# KiCad board sample018-programmable-led-panel.kicad_pcb (continued)
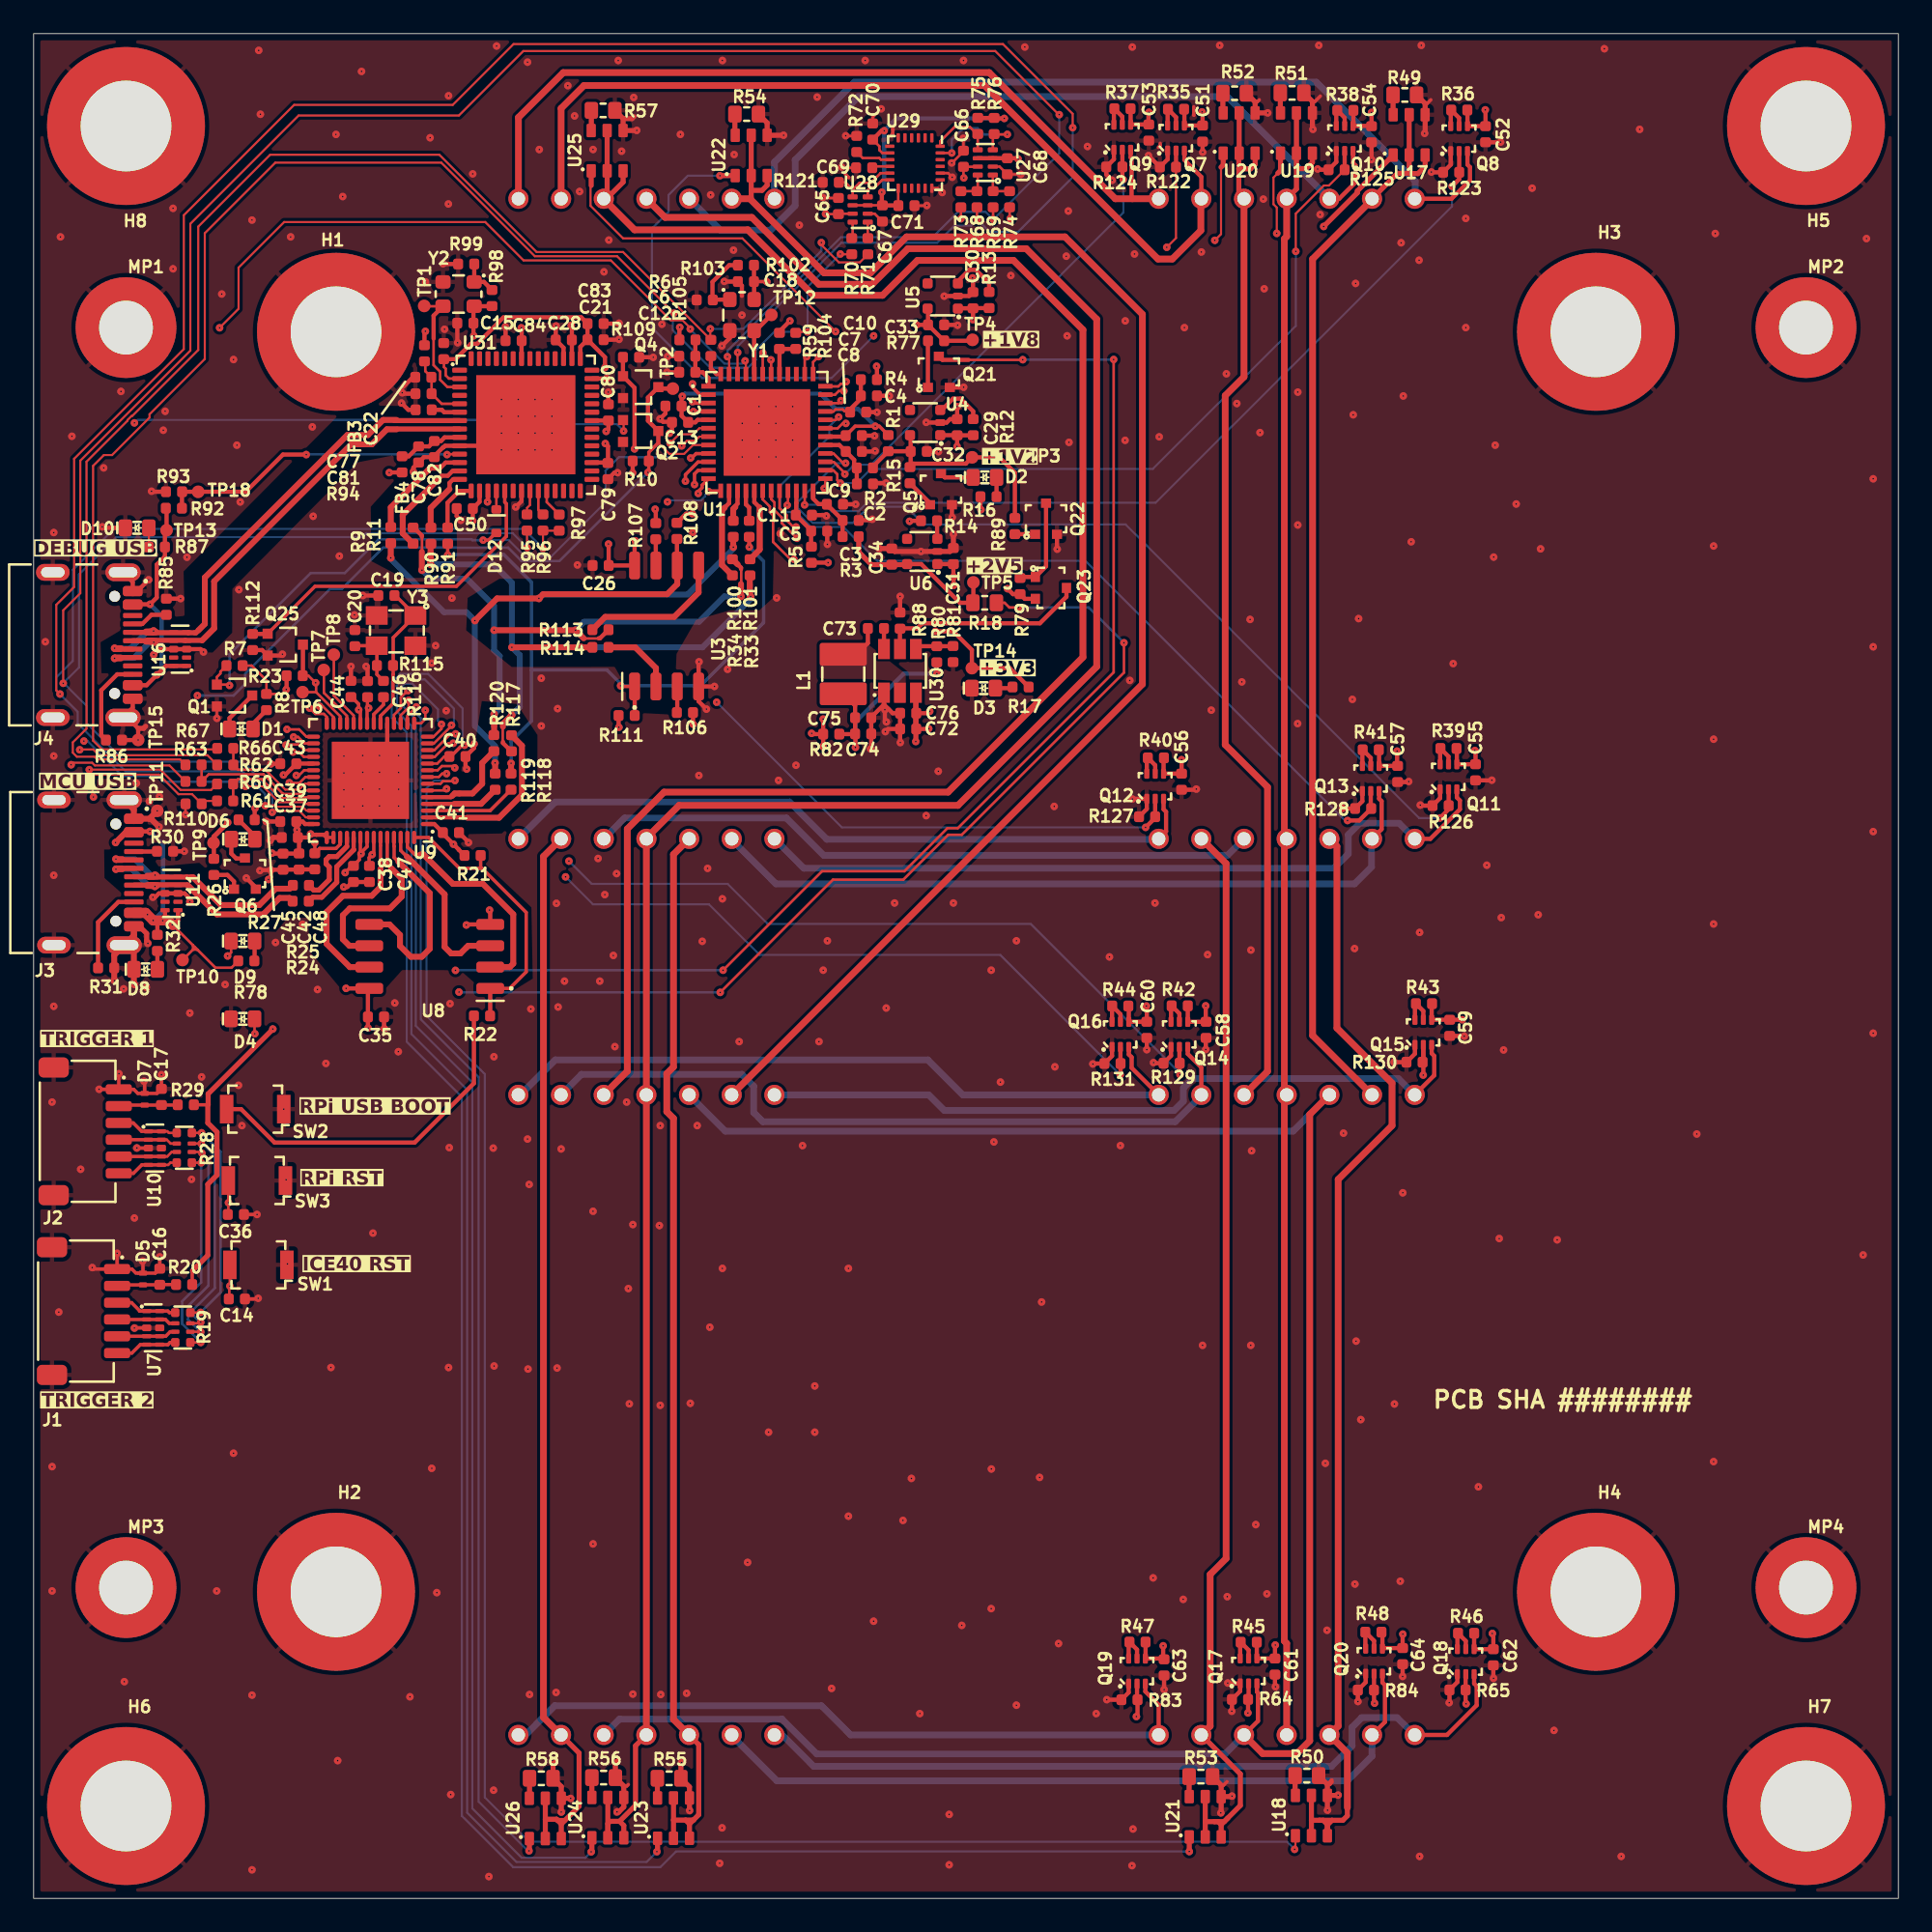
[diagram p0: board, top side]
## Placement (name value [footprint] x y rotation side) (continued)
U4  TLV70012_SC70  [SC-70-5]  53.07 87.85 90 top
U5  TLV70018_SC70  [SC-70-5]  54.12 95.39 90 top
U6  TLV70025_SC70  [SC-70-5]  52.9 80.18 90 top
U7  TPD4E02B04DQA  [USON-10_2.5x1mm_P0.5mm]  7.12 33.96 0 top
U8  W25Q128JVSIQ_SOIC-8  [SOIC-8_5.3x5.3x2mm_P1.27mm]  23.58 56.07 180 top
U9  RP2040  [QFN-56-1EP_7x7mm_P0.4mm_EP4.6x4.6mm]  20.05 66.55 180 top
U10  TPD4E02B04DQA  [USON-10_2.5x1mm_P0.5mm]  7.22 44.66 0 top
U11  TPD4E05U06QDQARQ1  [USON-10_2.5x1mm_P0.5mm]  8.21 59.82 180 top
U12  LED_Matrix_KWM-50571AGB  [LED_Matrix_KWM_50571AGB]  82.21 63.07 180 bottom
U13  LED_Matrix_KWM-50571AGB  [LED_Matrix_KWM_50571AGB]  82.21 9.73 180 bottom
U14  LED_Matrix_KWM-50571AGB  [LED_Matrix_KWM_50571AGB]  44.1 63.07 180 bottom
U15  LED_Matrix_KWM-50571AGB  [LED_Matrix_KWM_50571AGB]  44.09 9.73 180 bottom
U16  TPD4E05U06QDQARQ1  [USON-10_2.5x1mm_P0.5mm]  8.72 74.36 180 top
U17  BCR421_SOT26  [SC-74-6_1.5x2.9mm_P0.95mm]  81.88 104.97 90 top
U18  BCR421_SOT26  [SC-74-6_1.5x2.9mm_P0.95mm]  76.06 4.93 90 top
U19  BCR421_SOT26  [SC-74-6_1.5x2.9mm_P0.95mm]  75.17 105.08 90 top
U20  BCR421_SOT26  [SC-74-6_1.5x2.9mm_P0.95mm]  71.76 105.08 90 top
U21  BCR421_SOT26  [SC-74-6_1.5x2.9mm_P0.95mm]  69.74 4.86 90 top
U22  BCR421_SOT26  [SC-74-6_1.5x2.9mm_P0.95mm]  42.71 103.75 90 top
U23  BCR421_SOT26  [SC-74-6_1.5x2.9mm_P0.95mm]  38.09 4.78 90 top
U24  BCR421_SOT26  [SC-74-6_1.5x2.9mm_P0.95mm]  34.18 4.81 90 top
U25  BCR421_SOT26  [SC-74-6_1.5x2.9mm_P0.95mm]  34.14 104.03 90 top
U26  BCR421_SOT26  [SC-74-6_1.5x2.9mm_P0.95mm]  30.46 4.76 90 top
U27  NTS0102_XSON  [XSON-8_1x1.95mm_P0.5mm]  56.65 103.33 180 top
U28  NTB0102_XSON  [XSON-8_1x1.95mm_P0.5mm]  49.2 100.53 180 top
U29  ICM-20948  [InvenSense_QFN-24_3x3mm_P0.4mm]  52.47 103.29 270 top
U30  AP62301_TSOT  [TSOT23-6]  51.56 73.07 90 top
U31  FT4232H_VQFN  [QFN-56-1EP_8x8mm_P0.5mm]  29.29 87.72 0 top
Y1  Oscillator_12MHz_ESC_2520MV  [Oscillator_SMD_ECS_2520MV_2.5x2mm]  42.16 94.24 0 top
Y2  Oscillator_12MHz_ESC_2520MV  [Oscillator_SMD_ECS_2520MV_2.5x2mm]  25.29 95.5 270 top
Y3  Resonator_12MHz_ABM8G  [Resonator_SMD_Abracon_ABM8G_3.2x2.5mm]  21.62 75.41 180 top

## Library data of the parts
C1 C2 C5 C6 = -: Datasheet: https://www.yageo.com/en/Chart/Download/pdf/CC0402MRX5R5BB106; Description: SMD Multilayer Ceramic Capacitor, 10 µF, 6.3 V, 0402 [1005 Metric], ± 20%, X5R, CC Series; MPN: CC0402MRX5R5BB106; Manufacturer: YAGEO; License: Apache-2.0; Author: Antmicro; Val: 10u; Voltage: 10V; Dielectric: X5R; Field11: Author: Antmicro; Field13: License: Apache-2.0
C3 C4 = -: Datasheet: https://www.yageo.com/en/Chart/Download/pdf/CC0402MRX5R5BB106; Description: SMD Multilayer Ceramic Capacitor, 10 µF, 6.3 V, 0402 [1005 Metric], ± 20%, X5R, CC Series; MPN: CC0402MRX5R5BB106; Manufacturer: YAGEO; License: Apache-2.0; Author: Antmicro; Val: 10u; Voltage: 10V; Dielectric: X5R; Field12: Author: Antmicro; Field13: License: Apache-2.0
C7 C9 C10 = -: Datasheet: https://www.murata.com/products/productdetail?partno=GRM155R61H104KE14%23; Description: SMD Multilayer Ceramic Capacitor, 0.1 µF, 50 V, 0402 [1005 Metric], ± 10%, X5R, GRM Series; MPN: GRM155R61H104KE14D; Manufacturer: Murata; License: Apache-2.0; Author: Antmicro; Val: 100n; Voltage: 50V; Dielectric: X5R; Field11: License: Apache-2.0; Field13: Author: Antmicro
C8 C35 = -: Datasheet: https://www.murata.com/products/productdetail?partno=GRM155R61H104KE14%23; Description: SMD Multilayer Ceramic Capacitor, 0.1 µF, 50 V, 0402 [1005 Metric], ± 10%, X5R, GRM Series; MPN: GRM155R61H104KE14D; Manufacturer: Murata; License: Apache-2.0; Author: Antmicro; Val: 100n; Voltage: 50V; Dielectric: X5R; Field11: Author: Antmicro; Field12: License: Apache-2.0
C11 C13 = -: Datasheet: https://www.murata.com/products/productdetail?partno=GRM155R61H104KE14%23; Description: SMD Multilayer Ceramic Capacitor, 0.1 µF, 50 V, 0402 [1005 Metric], ± 10%, X5R, GRM Series; MPN: GRM155R61H104KE14D; Manufacturer: Murata; License: Apache-2.0; Author: Antmicro; Val: 100n; Voltage: 50V; Dielectric: X5R; Field12: License: Apache-2.0; Field13: Author: Antmicro
C12 C15 C26 = -: Datasheet: https://www.murata.com/products/productdetail?partno=GRM155R61H104KE14%23; Description: SMD Multilayer Ceramic Capacitor, 0.1 µF, 50 V, 0402 [1005 Metric], ± 10%, X5R, GRM Series; MPN: GRM155R61H104KE14D; Manufacturer: Murata; License: Apache-2.0; Author: Antmicro; Val: 100n; Voltage: 50V; Dielectric: X5R; Field11: License: Apache-2.0; Field12: Author: Antmicro
C14 C18 = -: Datasheet: https://www.murata.com/products/productdetail?partno=GRM155R61H104KE14%23; Description: SMD Multilayer Ceramic Capacitor, 0.1 µF, 50 V, 0402 [1005 Metric], ± 10%, X5R, GRM Series; MPN: GRM155R61H104KE14D; Manufacturer: Murata; License: Apache-2.0; Author: Antmicro; Val: 100n; Voltage: 50V; Dielectric: X5R; Field11: Author: Antmicro; Field13: License: Apache-2.0
C16 C38 C42 C71 = -: Datasheet: https://www.murata.com/products/productdetail?partno=GRM155R61H104KE14%23; Description: SMD Multilayer Ceramic Capacitor, 0.1 µF, 50 V, 0402 [1005 Metric], ± 10%, X5R, GRM Series; MPN: GRM155R61H104KE14D; Val: 100n; Voltage: 50V; Dielectric: X5R; Manufacturer: Murata; License: Apache-2.0; Author: Antmicro; Field11: Author: Antmicro; Field13: License: Apache-2.0
C17 C39 C41 C46 C65 C66 = -: Datasheet: https://www.murata.com/products/productdetail?partno=GRM155R61H104KE14%23; Description: SMD Multilayer Ceramic Capacitor, 0.1 µF, 50 V, 0402 [1005 Metric], ± 10%, X5R, GRM Series; MPN: GRM155R61H104KE14D; Val: 100n; Voltage: 50V; Dielectric: X5R; Manufacturer: Murata; License: Apache-2.0; Author: Antmicro; Field11: Author: Antmicro; Field12: License: Apache-2.0
C19 = -: Datasheet: https://product.samsungsem.com/mlcc/CL05C180JB51PN.do; Description: SMD Multilayer Ceramic Capacitor, 18 pF, 50 V, 0402 [1005 Metric], ± 5%, C0G / NP0, MC; MPN: CL05C180JB51PNC; Manufacturer: Samsung Electro-Mechanics; License: Apache-2.0; Author: Antmicro; Val: 18p; Field11: License: Apache-2.0; Field13: Author: Antmicro
C20 = -: Datasheet: https://product.samsungsem.com/mlcc/CL05C180JB51PN.do; Description: SMD Multilayer Ceramic Capacitor, 18 pF, 50 V, 0402 [1005 Metric], ± 5%, C0G / NP0, MC; MPN: CL05C180JB51PNC; Manufacturer: Samsung Electro-Mechanics; License: Apache-2.0; Author: Antmicro; Val: 18p; Field11: Author: Antmicro; Field13: License: Apache-2.0
C21 C50 = -: Datasheet: https://www.murata.com/products/productdetail?partno=GRM155R61H104KE14%23; Description: SMD Multilayer Ceramic Capacitor, 0.1 µF, 50 V, 0402 [1005 Metric], ± 10%, X5R, GRM Series; Manufacturer: Murata; MPN: GRM155R61H104KE14D; Val: 100n; License: Apache-2.0; Author: Antmicro; Voltage: 50V; Dielectric: X5R; Field12: License: Apache-2.0; Field13: Author: Antmicro
C22 C80 = -: Datasheet: https://www.murata.com/products/productdetail?partno=GRM155R61H104KE14%23; Description: SMD Multilayer Ceramic Capacitor, 0.1 µF, 50 V, 0402 [1005 Metric], ± 10%, X5R, GRM Series; Manufacturer: Murata; MPN: GRM155R61H104KE14D; Val: 100n; License: Apache-2.0; Author: Antmicro; Voltage: 50V; Dielectric: X5R; Field11: Author: Antmicro; Field12: License: Apache-2.0
C28 C84 = -: Datasheet: https://www.murata.com/products/productdetail?partno=GRM155R61H104KE14%23; Description: SMD Multilayer Ceramic Capacitor, 0.1 µF, 50 V, 0402 [1005 Metric], ± 10%, X5R, GRM Series; Manufacturer: Murata; MPN: GRM155R61H104KE14D; Val: 100n; License: Apache-2.0; Author: Antmicro; Voltage: 50V; Dielectric: X5R; Field11: Author: Antmicro; Field13: License: Apache-2.0
C29 C37 C51 C55 = -: Datasheet: https://www.kemet.com/en/us/capacitors/product/C0402C105M4PACTU.html; Description: SMD Multilayer Ceramic Capacitor, 1 µF, 16 V, 0402 [1005 Metric], ± 20%, X5R, C Series KEMET; MPN: C0402C105M4PACTU; Manufacturer: KEMET; License: Apache-2.0; Author: Antmicro; Val: 1u; Voltage: 16V; Field12: License: Apache-2.0; Field13: Author: Antmicro
C30 C58 C60 = -: Datasheet: https://www.kemet.com/en/us/capacitors/product/C0402C105M4PACTU.html; Description: SMD Multilayer Ceramic Capacitor, 1 µF, 16 V, 0402 [1005 Metric], ± 20%, X5R, C Series KEMET; MPN: C0402C105M4PACTU; Manufacturer: KEMET; License: Apache-2.0; Author: Antmicro; Val: 1u; Voltage: 16V; Field11: License: Apache-2.0; Field13: Author: Antmicro
C31 C52 C53 C56 C64 = -: Datasheet: https://www.kemet.com/en/us/capacitors/product/C0402C105M4PACTU.html; Description: SMD Multilayer Ceramic Capacitor, 1 µF, 16 V, 0402 [1005 Metric], ± 20%, X5R, C Series KEMET; MPN: C0402C105M4PACTU; Manufacturer: KEMET; License: Apache-2.0; Author: Antmicro; Val: 1u; Voltage: 16V; Field11: Author: Antmicro; Field13: License: Apache-2.0
C32 C48 C54 C57 C63 = -: Datasheet: https://www.kemet.com/en/us/capacitors/product/C0402C105M4PACTU.html; Description: SMD Multilayer Ceramic Capacitor, 1 µF, 16 V, 0402 [1005 Metric], ± 20%, X5R, C Series KEMET; MPN: C0402C105M4PACTU; Manufacturer: KEMET; License: Apache-2.0; Author: Antmicro; Val: 1u; Voltage: 16V; Field12: Author: Antmicro; Field13: License: Apache-2.0
C33 C34 C61 = -: Datasheet: https://www.kemet.com/en/us/capacitors/product/C0402C105M4PACTU.html; Description: SMD Multilayer Ceramic Capacitor, 1 µF, 16 V, 0402 [1005 Metric], ± 20%, X5R, C Series KEMET; MPN: C0402C105M4PACTU; Manufacturer: KEMET; License: Apache-2.0; Author: Antmicro; Val: 1u; Voltage: 16V; Field11: Author: Antmicro; Field12: License: Apache-2.0
C36 C45 C47 = -: Datasheet: https://www.murata.com/products/productdetail?partno=GRM155R61H104KE14%23; Description: SMD Multilayer Ceramic Capacitor, 0.1 µF, 50 V, 0402 [1005 Metric], ± 10%, X5R, GRM Series; MPN: GRM155R61H104KE14D; Val: 100n; Voltage: 50V; Dielectric: X5R; Manufacturer: Murata; License: Apache-2.0; Author: Antmicro; Field11: License: Apache-2.0; Field12: Author: Antmicro
C40 C44 C69 C70 = -: Datasheet: https://www.murata.com/products/productdetail?partno=GRM155R61H104KE14%23; Description: SMD Multilayer Ceramic Capacitor, 0.1 µF, 50 V, 0402 [1005 Metric], ± 10%, X5R, GRM Series; MPN: GRM155R61H104KE14D; Val: 100n; Voltage: 50V; Dielectric: X5R; Manufacturer: Murata; License: Apache-2.0; Author: Antmicro; Field12: Author: Antmicro; Field13: License: Apache-2.0
C43 C68 = -: Datasheet: https://www.murata.com/products/productdetail?partno=GRM155R61H104KE14%23; Description: SMD Multilayer Ceramic Capacitor, 0.1 µF, 50 V, 0402 [1005 Metric], ± 10%, X5R, GRM Series; MPN: GRM155R61H104KE14D; Val: 100n; Voltage: 50V; Dielectric: X5R; Manufacturer: Murata; License: Apache-2.0; Author: Antmicro; Field11: License: Apache-2.0; Field13: Author: Antmicro
C59 C62 = -: Datasheet: https://www.kemet.com/en/us/capacitors/product/C0402C105M4PACTU.html; Description: SMD Multilayer Ceramic Capacitor, 1 µF, 16 V, 0402 [1005 Metric], ± 20%, X5R, C Series KEMET; MPN: C0402C105M4PACTU; Manufacturer: KEMET; License: Apache-2.0; Author: Antmicro; Val: 1u; Voltage: 16V; Field11: License: Apache-2.0; Field12: Author: Antmicro
C67 = -: Datasheet: https://www.murata.com/products/productdetail?partno=GRM155R61H104KE14%23; Description: SMD Multilayer Ceramic Capacitor, 0.1 µF, 50 V, 0402 [1005 Metric], ± 10%, X5R, GRM Series; MPN: GRM155R61H104KE14D; Val: 100n; Voltage: 50V; Dielectric: X5R; Manufacturer: Murata; License: Apache-2.0; Author: Antmicro; Field12: License: Apache-2.0; Field13: Author: Antmicro
C72 = -: Datasheet: https://www.yageo.com/en/Chart/Download/pdf/CC0402MRX5R5BB106; Description: SMD Multilayer Ceramic Capacitor, 10 µF, 6.3 V, 0402 [1005 Metric], ± 20%, X5R, CC Series; MPN: CC0402MRX5R5BB106; Manufacturer: YAGEO; License: Apache-2.0; Author: Antmicro; Val: 10u; Voltage: 25V; Field11: License: Apache-2.0; Field13: Author: Antmicro
C73 = -: Datasheet: https://www.yageo.com/en/Chart/Download/pdf/CC0402KRX5R6BB224; MPN: CC0402KRX5R6BB224; Manufacturer: YAGEO; License: Apache-2.0; Author: Antmicro; Val: 220n; Field12: License: Apache-2.0; Field13: Author: Antmicro
C74 = -: Datasheet: https://www.murata.com/products/productdetail?partno=GRM158R60J226ME01%23; MPN: GRM158R60J226ME01D; Manufacturer: Murata; License: Apache-2.0; Author: Antmicro; Val: 22u; Field12: Author: Antmicro; Field13: License: Apache-2.0
C75 = -: Datasheet: https://www.murata.com/products/productdetail?partno=GRM158R60J226ME01%23; MPN: GRM158R60J226ME01D; Manufacturer: Murata; License: Apache-2.0; Author: Antmicro; Val: 22u; Field12: License: Apache-2.0; Field13: Author: Antmicro
C76 = -: Datasheet: https://www.yageo.com/en/Chart/Download/pdf/CC0402MRX5R5BB106; Description: SMD Multilayer Ceramic Capacitor, 10 µF, 6.3 V, 0402 [1005 Metric], ± 20%, X5R, CC Series; MPN: CC0402MRX5R5BB106; Manufacturer: YAGEO; License: Apache-2.0; Author: Antmicro; Val: 10u; Voltage: 25V; Field12: License: Apache-2.0; Field13: Author: Antmicro
C77 = -: Datasheet: https://www.yageo.com/en/Chart/Download/pdf/CC0402MRX5R5BB106; Description: SMD Multilayer Ceramic Capacitor, 10 µF, 6.3 V, 0402 [1005 Metric], ± 20%, X5R, CC Series; Manufacturer: YAGEO; MPN: CC0402MRX5R5BB106; Val: 10u; License: Apache-2.0; Author: Antmicro; Public: False; Field12: Author: Antmicro; Field13: License: Apache-2.0
C78 = -: Datasheet: https://www.yageo.com/en/Chart/Download/pdf/CC0402MRX5R5BB106; Description: SMD Multilayer Ceramic Capacitor, 10 µF, 6.3 V, 0402 [1005 Metric], ± 20%, X5R, CC Series; Manufacturer: YAGEO; MPN: CC0402MRX5R5BB106; Val: 10u; License: Apache-2.0; Author: Antmicro; Public: False; Field12: License: Apache-2.0; Field13: Author: Antmicro
C79 C81 C82 = -: Datasheet: https://www.murata.com/products/productdetail?partno=GRM155R61H104KE14%23; Description: SMD Multilayer Ceramic Capacitor, 0.1 µF, 50 V, 0402 [1005 Metric], ± 10%, X5R, GRM Series; Manufacturer: Murata; MPN: GRM155R61H104KE14D; Val: 100n; License: Apache-2.0; Author: Antmicro; Voltage: 50V; Dielectric: X5R; Field11: License: Apache-2.0; Field13: Author: Antmicro
C83 = -: Datasheet: https://www.yageo.com/en/Chart/Download/pdf/CC0402MRX5R5BB106; Description: SMD Multilayer Ceramic Capacitor, 10 µF, 6.3 V, 0402 [1005 Metric], ± 20%, X5R, CC Series; Manufacturer: YAGEO; MPN: CC0402MRX5R5BB106; Val: 10u; License: Apache-2.0; Author: Antmicro; Public: False; Field13: License: Apache-2.0; Field14: Author: Antmicro
D1 D3 = -: Datasheet: http://www.kingbright.com/attachments/file/psearch//000/00/00/KP-1608CGCK(Ver.23B).pdf; Description: LED, Green, SMD, 0603, 20 mA, 2.1 V, 570 nm; MPN: KP-1608CGCK; Manufacturer: Kingbright; Color: Green; Author: Antmicro; License: Apache-2.0; Field9: License: Apache-2.0; Field11: Author: Antmicro
D2 D10 = -: Datasheet: http://www.kingbright.com/attachments/file/psearch//000/00/00/KP-1608CGCK(Ver.23B).pdf; Description: LED, Green, SMD, 0603, 20 mA, 2.1 V, 570 nm; MPN: KP-1608CGCK; Manufacturer: Kingbright; Color: Green; Author: Antmicro; License: Apache-2.0; Field9: Author: Antmicro; Field10: License: Apache-2.0
D4 D8 = -: Datasheet: http://www.kingbright.com/attachments/file/psearch//000/00/00/KP-1608CGCK(Ver.23B).pdf; Description: LED, Green, SMD, 0603, 20 mA, 2.1 V, 570 nm; MPN: KP-1608CGCK; Manufacturer: Kingbright; Color: Green; Author: Antmicro; License: Apache-2.0; Field10: Author: Antmicro; Field11: License: Apache-2.0
D5 = -: Datasheet: https://www.ti.com/general/docs/suppproductinfo.tsp?distId=26&gotoUrl=https://www.ti.com/lit/gpn/tpd1e0b04; Description: Bidirectional TVS, 8 kV,  XDFN-2, 3.6 V, 0.18 pF; MPN: TPD1E0B04DPYR; Manufacturer: Texas Instruments; Author: Antmicro; License: Apache-2.0; Field8: Author: Antmicro; Field9: License: Apache-2.0
D6 D9 = -: Datasheet: http://www.kingbright.com/attachments/file/psearch//000/00/00/KP-1608CGCK(Ver.23B).pdf; Description: LED, Green, SMD, 0603, 20 mA, 2.1 V, 570 nm; MPN: KP-1608CGCK; Manufacturer: Kingbright; Color: Green; Author: Antmicro; License: Apache-2.0; Field9: Author: Antmicro; Field11: License: Apache-2.0
D7 = -: Datasheet: https://www.ti.com/general/docs/suppproductinfo.tsp?distId=26&gotoUrl=https://www.ti.com/lit/gpn/tpd1e0b04; Description: Bidirectional TVS, 8 kV,  XDFN-2, 3.6 V, 0.18 pF; MPN: TPD1E0B04DPYR; Manufacturer: Texas Instruments; Author: Antmicro; License: Apache-2.0; Field9: License: Apache-2.0; Field10: Author: Antmicro
D12 = -: Datasheet: https://www.onsemi.com/pdf/datasheet/rb521s30t1-d.pdf; Description: Small Signal Schottky Diode, Single, 30 V, 200 mA, 500 mV, 1 A, 125 °C; Manufacturer: ON Semiconductor; Author: Antmicro; License: Apache-2.0; Field8: License: Apache-2.0; Field10: Author: Antmicro
FB3 = -: Datasheet: https://www.murata.com/en-us/products/productdata/8796740059166/ENFA0018.pdf; MPN: BLM15AG601SN1D; Manufacturer: Murata; Author: Antmicro; License: Apache-2.0; Val: 600Z/0.3A; Public: False; Field11: License: Apache-2.0; Field12: Author: Antmicro
FB4 = -: Datasheet: https://www.murata.com/en-us/products/productdata/8796740059166/ENFA0018.pdf; MPN: BLM15AG601SN1D; Manufacturer: Murata; Author: Antmicro; License: Apache-2.0; Val: 600Z/0.3A; Public: False; Field11: Author: Antmicro; Field12: License: Apache-2.0
H1 H3 H6 = -: Datasheet: https://www.we-online.com/components/products/datasheet/9774100482R.pdf; Description: Spacer, SMT, Non Stop, Steel, Swage Round, 9.4 mm x 10 mm, M4 Thread, WA-SMSI Series; Manufacturer: Würth Elektronik; MPN: 9774100482R; Author: Antmicro; License: Apache-2.0; Field8: License: Apache-2.0; Field10: Author: Antmicro
H2 = -: Datasheet: https://www.we-online.com/components/products/datasheet/9774100482R.pdf; Description: Spacer, SMT, Non Stop, Steel, Swage Round, 9.4 mm x 10 mm, M4 Thread, WA-SMSI Series; Manufacturer: Würth Elektronik; MPN: 9774100482R; Author: Antmicro; License: Apache-2.0; Field8: License: Apache-2.0; Field9: Author: Antmicro
H4 H5 = -: Datasheet: https://www.we-online.com/components/products/datasheet/9774100482R.pdf; Description: Spacer, SMT, Non Stop, Steel, Swage Round, 9.4 mm x 10 mm, M4 Thread, WA-SMSI Series; Manufacturer: Würth Elektronik; MPN: 9774100482R; Author: Antmicro; License: Apache-2.0; Field9: Author: Antmicro; Field10: License: Apache-2.0
H7 = -: Datasheet: https://www.we-online.com/components/products/datasheet/9774100482R.pdf; Description: Spacer, SMT, Non Stop, Steel, Swage Round, 9.4 mm x 10 mm, M4 Thread, WA-SMSI Series; Manufacturer: Würth Elektronik; MPN: 9774100482R; Author: Antmicro; License: Apache-2.0; Field8: Author: Antmicro; Field10: License: Apache-2.0
H8 = -: Datasheet: https://www.we-online.com/components/products/datasheet/9774100482R.pdf; Description: Spacer, SMT, Non Stop, Steel, Swage Round, 9.4 mm x 10 mm, M4 Thread, WA-SMSI Series; Manufacturer: Würth Elektronik; MPN: 9774100482R; Author: Antmicro; License: Apache-2.0; Field8: Author: Antmicro; Field9: License: Apache-2.0
J1 = -: Datasheet: https://www.jst-mfg.com/product/pdf/eng/eSH.pdf; Description: Pin Header, Right Angle, Wire-to-Board, 1 mm, 1 Rows, 6 Contacts, Surface Mount Right Angle, SR; MPN: SM06B-SRSS-TB(LF)(SN); Manufacturer: JST Automotive Connectors; Author: Antmicro; License: Apache-2.0; Field9: Author: Antmicro; Field10: License: Apache-2.0
J2 = -: Datasheet: https://www.jst-mfg.com/product/pdf/eng/eSH.pdf; Description: Pin Header, Right Angle, Wire-to-Board, 1 mm, 1 Rows, 6 Contacts, Surface Mount Right Angle, SR; MPN: SM06B-SRSS-TB(LF)(SN); Manufacturer: JST Automotive Connectors; Author: Antmicro; License: Apache-2.0; Field8: License: Apache-2.0; Field9: Author: Antmicro
J3 = -: Datasheet: https://gct.co/files/drawings/usb4105.pdf; Description: USB-C (USB TYPE-C) USB 2.0 Receptacle Connector 24 (16+8 Dummy) Position Surface Mount, Right Angle; MPN: USB4105-GF-A; Manufacturer: GCT; License: Apache-2.0; Author: Antmicro; Field9: License: Apache-2.0; Field10: Author: Antmicro; Field11: PCB-EDGE
J4 = -: Datasheet: https://gct.co/files/drawings/usb4105.pdf; Description: USB-C (USB TYPE-C) USB 2.0 Receptacle Connector 24 (16+8 Dummy) Position Surface Mount, Right Angle; MPN: USB4105-GF-A; Manufacturer: GCT; License: Apache-2.0; Author: Antmicro; Field8: License: Apache-2.0; Field9: PCB-EDGE; Field11: Author: Antmicro
L1 = -: Datasheet: https://www.mouser.com/datasheet/2/54/SRP3212A-3011944.pdf; Val: 3u3/3.1A; Manufacturer: Bourns; MPN: SRP3212-3R3M; ISat: 3.4 A; IMax: 3.1 A; Size: 3.2x2.5; Author: Antmicro; License: Apache-2.0; Field12: License: Apache-2.0; Field13: Author: Antmicro
MP1 = -: Description: Mechanical part; Author: Antmicro; License: Apache-2.0; Field6: Author: Antmicro; Field7: License: Apache-2.0
MP2 = -: Description: Mechanical part; Author: Antmicro; License: Apache-2.0; Field6: License: Apache-2.0; Field8: Author: Antmicro
MP3 = -: Description: Mechanical part; Author: Antmicro; License: Apache-2.0; Field7: License: Apache-2.0; Field8: Author: Antmicro
MP4 = -: Description: Mechanical part; Author: Antmicro; License: Apache-2.0; Field6: Author: Antmicro; Field8: License: Apache-2.0
Q1 = -: Datasheet: https://assets.nexperia.com/documents/data-sheet/BSS138PW.pdf; Description: Power MOSFET, N Channel, 60 V, 320 mA, 0.9 ohm, SOT-323, Surface Mount; Manufacturer: Nexperia; Author: Antmicro; License: Apache-2.0; Field9: License: Apache-2.0; Field10: Author: Antmicro
Q2 = -: Datasheet: https://assets.nexperia.com/documents/data-sheet/BSS138PW.pdf; Description: Power MOSFET, N Channel, 60 V, 320 mA, 0.9 ohm, SOT-323, Surface Mount; Manufacturer: Nexperia; Author: Antmicro; License: Apache-2.0; Field8: License: Apache-2.0; Field9: Author: Antmicro
Q4 Q25 = -: Datasheet: https://assets.nexperia.com/documents/data-sheet/BSS138PW.pdf; Description: Power MOSFET, N Channel, 60 V, 320 mA, 0.9 ohm, SOT-323, Surface Mount; Manufacturer: Nexperia; Author: Antmicro; License: Apache-2.0; Field9: Author: Antmicro; Field10: License: Apache-2.0
Q5 Q6 = -: Datasheet: https://assets.nexperia.com/documents/data-sheet/BC817W_SER.pdf; Description: Bipolar (BJT) Single Transistor, NPN, 45 V, 500 mA, 200 mW, SOT-323, Surface Mount; MPN: BC817-25W,115; Manufacturer: Nexperia; Author: Antmicro; License: Apache-2.0; Field8: Author: Antmicro; Field9: License: Apache-2.0; ki_fp_filters: SOT?323*
Q7 = -: Datasheet: https://www.mouser.com/datasheet/2/115/DIOD_S_A0010038249_1-2543538.pdf; Description: Dual MOSFET, Complementary N and P Channel, 20 V, 20 V, 1.03 A, 1.03 A, 0.3 ohm; Manufacturer: Diodes Incorporated; Author: Antmicro; License: Apache-2.0; Field9: Author: Antmicro; Field10: License: Apache-2.0
Q8 Q14 = -: Datasheet: https://www.mouser.com/datasheet/2/115/DIOD_S_A0010038249_1-2543538.pdf; Description: Dual MOSFET, Complementary N and P Channel, 20 V, 20 V, 1.03 A, 1.03 A, 0.3 ohm; Manufacturer: Diodes Incorporated; Author: Antmicro; License: Apache-2.0; Field8: Author: Antmicro; Field9: License: Apache-2.0
Q9 Q11 Q13 Q15-Q18 = -: Datasheet: https://www.mouser.com/datasheet/2/115/DIOD_S_A0010038249_1-2543538.pdf; Description: Dual MOSFET, Complementary N and P Channel, 20 V, 20 V, 1.03 A, 1.03 A, 0.3 ohm; Manufacturer: Diodes Incorporated; Author: Antmicro; License: Apache-2.0; Field8: License: Apache-2.0; Field10: Author: Antmicro
Q10 Q12 = -: Datasheet: https://www.mouser.com/datasheet/2/115/DIOD_S_A0010038249_1-2543538.pdf; Description: Dual MOSFET, Complementary N and P Channel, 20 V, 20 V, 1.03 A, 1.03 A, 0.3 ohm; Manufacturer: Diodes Incorporated; Author: Antmicro; License: Apache-2.0; Field9: License: Apache-2.0; Field10: Author: Antmicro
Q19 Q20 = -: Datasheet: https://www.mouser.com/datasheet/2/115/DIOD_S_A0010038249_1-2543538.pdf; Description: Dual MOSFET, Complementary N and P Channel, 20 V, 20 V, 1.03 A, 1.03 A, 0.3 ohm; Manufacturer: Diodes Incorporated; Author: Antmicro; License: Apache-2.0; Field8: License: Apache-2.0; Field9: Author: Antmicro
Q21 = -: Datasheet: https://assets.nexperia.com/documents/data-sheet/BC817W_SER.pdf; Description: Bipolar (BJT) Single Transistor, NPN, 45 V, 500 mA, 200 mW, SOT-323, Surface Mount; MPN: BC817-25W,115; Manufacturer: Nexperia; Author: Antmicro; License: Apache-2.0; Field8: License: Apache-2.0; Field9: Author: Antmicro; ki_fp_filters: SOT?323*
Q22 = -: Datasheet: https://assets.nexperia.com/documents/data-sheet/BC817W_SER.pdf; Description: Bipolar (BJT) Single Transistor, NPN, 45 V, 500 mA, 200 mW, SOT-323, Surface Mount; MPN: BC817-25W,115; Manufacturer: Nexperia; Author: Antmicro; License: Apache-2.0; Field9: License: Apache-2.0; Field10: Author: Antmicro; ki_fp_filters: SOT?323*
Q23 = -: Datasheet: https://assets.nexperia.com/documents/data-sheet/BSS84AKW.pdf; Description: Power MOSFET, P Channel, 50 V, 150 mA, 4.5 ohm, SOT-323, Surface Mount; MPN: BSS84AKW,115; Manufacturer: Nexperia; Author: Antmicro; License: Apache-2.0; Field8: Author: Antmicro; Field9: License: Apache-2.0
R1 R61 R68 R70 = -: Datasheet: https://industrial.panasonic.com/cdbs/www-data/pdf/RDA0000/AOA0000C301.pdf; Description: SMD Chip Resistor, Jumper, 0 ohm, 100 mW, 0402 [1005 Metric], Thick Film, General Purpose; MPN: ERJ2GE0R00X; Manufacturer: Panasonic; License: Apache-2.0; Author: Antmicro; Val: 0R; Current: 1A; Field11: Author: Antmicro; Field12: License: Apache-2.0
R2 = -: Datasheet: https://www.bourns.com/docs/product-datasheets/cr.pdf; Description: SMD Chip Resistor, 100 ohm, ± 1%, 62.5 mW, 0402 [1005 Metric], Thick Film, General Purpose; MPN: CR0402-FX-1000GLF; Manufacturer: Bourns; License: Apache-2.0; Author: Antmicro; Val: 100R; Tolerance: 1%; Field10: License: Apache-2.0; Field12: Author: Antmicro
R3 R6 R62 R63 R104 = -: Datasheet: https://industrial.panasonic.com/cdbs/www-data/pdf/RDA0000/AOA0000C301.pdf; Description: SMD Chip Resistor, Jumper, 0 ohm, 100 mW, 0402 [1005 Metric], Thick Film, General Purpose; MPN: ERJ2GE0R00X; Manufacturer: Panasonic; License: Apache-2.0; Author: Antmicro; Val: 0R; Current: 1A; Field12: License: Apache-2.0; Field13: Author: Antmicro
R4 R102 R114 = -: Datasheet: https://industrial.panasonic.com/cdbs/www-data/pdf/RDA0000/AOA0000C301.pdf; Description: SMD Chip Resistor, Jumper, 0 ohm, 100 mW, 0402 [1005 Metric], Thick Film, General Purpose; MPN: ERJ2GE0R00X; Manufacturer: Panasonic; License: Apache-2.0; Author: Antmicro; Val: 0R; Current: 1A; Field11: Author: Antmicro; Field13: License: Apache-2.0
R5 R29 R69 R71 = -: Datasheet: https://industrial.panasonic.com/cdbs/www-data/pdf/RDA0000/AOA0000C301.pdf; Description: SMD Chip Resistor, Jumper, 0 ohm, 100 mW, 0402 [1005 Metric], Thick Film, General Purpose; MPN: ERJ2GE0R00X; Manufacturer: Panasonic; License: Apache-2.0; Author: Antmicro; Val: 0R; Current: 1A; Field11: License: Apache-2.0; Field12: Author: Antmicro
R7 R72 R74 R79 R103 R107 R111 R123 R131 = -: Datasheet: https://www.bourns.com/docs/product-datasheets/cr.pdf; Description: SMD Chip Resistor, 10 kohm, ± 1%, 62.5 mW, 0402 [1005 Metric], Thick Film, General Purpose; MPN: CR0402-FX-1002GLF; Manufacturer: Bourns; License: Apache-2.0; Author: Antmicro; Val: 10k; Tolerance: 1%; Field10: Author: Antmicro; Field12: License: Apache-2.0
R8 = -: Datasheet: https://www.bourns.com/docs/product-datasheets/cr.pdf; Description: SMD Chip Resistor, 330 ohm, ± 1%, 62.5 mW, 0402 [1005 Metric], Thick Film, General Purpose; MPN: CR0402-FX-3300GLF; Manufacturer: Bourns; License: Apache-2.0; Author: Antmicro; Val: 330R; Tolerance: 1%; Field10: Author: Antmicro; Field12: License: Apache-2.0
R9 R25 R95-R97 R118 R119 = -: Datasheet: https://www.bourns.com/docs/product-datasheets/cr.pdf; Description: SMD Chip Resistor, 27 ohm, ± 1%, 63 mW, 0402 [1005 Metric], Thick Film, General Purpose; MPN: CR0402-FX-27R0GLF; Manufacturer: Bourns; License: Apache-2.0; Author: Antmicro; Val: 27R; Tolerance: 1%; Field11: Author: Antmicro; Field12: License: Apache-2.0
R10 R12 R13 R65 R126 R127 R129 R130 = -: Datasheet: https://www.bourns.com/docs/product-datasheets/cr.pdf; Description: SMD Chip Resistor, 10 kohm, ± 1%, 62.5 mW, 0402 [1005 Metric], Thick Film, General Purpose; MPN: CR0402-FX-1002GLF; Manufacturer: Bourns; License: Apache-2.0; Author: Antmicro; Val: 10k; Tolerance: 1%; Field10: License: Apache-2.0; Field12: Author: Antmicro
R11 R33 R91 R117 = -: Datasheet: https://www.bourns.com/docs/product-datasheets/cr.pdf; Description: SMD Chip Resistor, 27 ohm, ± 1%, 63 mW, 0402 [1005 Metric], Thick Film, General Purpose; MPN: CR0402-FX-27R0GLF; Manufacturer: Bourns; License: Apache-2.0; Author: Antmicro; Val: 27R; Tolerance: 1%; Field10: License: Apache-2.0; Field11: Author: Antmicro
R14 R59 R64 R73 R83 R106 R125 R128 = -: Datasheet: https://www.bourns.com/docs/product-datasheets/cr.pdf; Description: SMD Chip Resistor, 10 kohm, ± 1%, 62.5 mW, 0402 [1005 Metric], Thick Film, General Purpose; MPN: CR0402-FX-1002GLF; Manufacturer: Bourns; License: Apache-2.0; Author: Antmicro; Val: 10k; Tolerance: 1%; Field11: License: Apache-2.0; Field12: Author: Antmicro
R15 = -: Datasheet: https://www.bourns.com/docs/product-datasheets/cr.pdf; Description: SMD Chip Resistor, 1 kohm, ± 1%, 63 mW, 0402 [1005 Metric], Thick Film, General Purpose; MPN: CR0402-FX-1001GLF; Manufacturer: Bourns; License: Apache-2.0; Author: Antmicro; Val: 1k; Tolerance: 1%; Field10: License: Apache-2.0; Field12: Author: Antmicro
R16 R40 R42 R43 = -: Datasheet: https://www.bourns.com/docs/product-datasheets/cr.pdf; Description: SMD Chip Resistor, 1 kohm, ± 1%, 63 mW, 0402 [1005 Metric], Thick Film, General Purpose; MPN: CR0402-FX-1001GLF; Manufacturer: Bourns; License: Apache-2.0; Author: Antmicro; Val: 1k; Tolerance: 1%; Field11: Author: Antmicro; Field12: License: Apache-2.0
R17 R27 = -: Datasheet: https://www.bourns.com/docs/product-datasheets/cr.pdf; Description: SMD Chip Resistor, 330 ohm, ± 1%, 62.5 mW, 0402 [1005 Metric], Thick Film, General Purpose; MPN: CR0402-FX-3300GLF; Manufacturer: Bourns; License: Apache-2.0; Author: Antmicro; Val: 330R; Tolerance: 1%; Field10: License: Apache-2.0; Field12: Author: Antmicro
R18 R52 = -: Datasheet: https://www.bourns.com/docs/product-datasheets/cr.pdf; Description: SMD Chip Resistor, 120 ohm, ± 1%, 100 mW, 0603 [1608 Metric], Thick Film, General Purpose; MPN: CR0603-FX-1200ELF; Manufacturer: Bourns; License: Apache-2.0; Author: Antmicro; Val: 120R; Tolerance: 1%; Field10: Author: Antmicro; Field12: License: Apache-2.0
R19 = -: Datasheet: http://industrial.panasonic.com/cdbs/www-data/pdf/AOC0000/AOC0000C14.pdf; Description: Fixed Network Resistor, 100 ohm, Isolated, 4 Resistors, 0804 [2010 Metric], Convex, ± 5%; MPN: EXB-28V101JX; Manufacturer: Panasonic; Author: Antmicro; License: Apache-2.0; Val: R_4x100R_0402; Field9: Author: Antmicro; Field11: License: Apache-2.0
R20 R60 R66 R82 R113 = -: Datasheet: https://industrial.panasonic.com/cdbs/www-data/pdf/RDA0000/AOA0000C301.pdf; Description: SMD Chip Resistor, Jumper, 0 ohm, 100 mW, 0402 [1005 Metric], Thick Film, General Purpose; MPN: ERJ2GE0R00X; Manufacturer: Panasonic; License: Apache-2.0; Author: Antmicro; Val: 0R; Current: 1A; Field12: Author: Antmicro; Field13: License: Apache-2.0
R21 R23 R88 R122 R124 = -: Datasheet: https://www.bourns.com/docs/product-datasheets/cr.pdf; Description: SMD Chip Resistor, 10 kohm, ± 1%, 62.5 mW, 0402 [1005 Metric], Thick Film, General Purpose; MPN: CR0402-FX-1002GLF; Manufacturer: Bourns; License: Apache-2.0; Author: Antmicro; Val: 10k; Tolerance: 1%; Field10: License: Apache-2.0; Field11: Author: Antmicro
R22 R38 R39 R41 R46 = -: Datasheet: https://www.bourns.com/docs/product-datasheets/cr.pdf; Description: SMD Chip Resistor, 1 kohm, ± 1%, 63 mW, 0402 [1005 Metric], Thick Film, General Purpose; MPN: CR0402-FX-1001GLF; Manufacturer: Bourns; License: Apache-2.0; Author: Antmicro; Val: 1k; Tolerance: 1%; Field10: Author: Antmicro; Field11: License: Apache-2.0
R24 = -: Datasheet: https://www.bourns.com/docs/product-datasheets/cr.pdf; Description: SMD Chip Resistor, 27 ohm, ± 1%, 63 mW, 0402 [1005 Metric], Thick Film, General Purpose; MPN: CR0402-FX-27R0GLF; Manufacturer: Bourns; License: Apache-2.0; Author: Antmicro; Val: 27R; Tolerance: 1%; Field10: Author: Antmicro; Field12: License: Apache-2.0
R26 R48 R77 R87 R89 R116 = -: Datasheet: https://www.bourns.com/docs/product-datasheets/cr.pdf; Description: SMD Chip Resistor, 1 kohm, ± 1%, 63 mW, 0402 [1005 Metric], Thick Film, General Purpose; MPN: CR0402-FX-1001GLF; Manufacturer: Bourns; License: Apache-2.0; Author: Antmicro; Val: 1k; Tolerance: 1%; Field10: License: Apache-2.0; Field11: Author: Antmicro
R28 = -: Datasheet: http://industrial.panasonic.com/cdbs/www-data/pdf/AOC0000/AOC0000C14.pdf; Description: Fixed Network Resistor, 100 ohm, Isolated, 4 Resistors, 0804 [2010 Metric], Convex, ± 5%; MPN: EXB-28V101JX; Manufacturer: Panasonic; Author: Antmicro; License: Apache-2.0; Val: R_4x100R_0402; Field10: License: Apache-2.0; Field11: Author: Antmicro
R30 = -: Datasheet: https://www.bourns.com/docs/product-datasheets/cr.pdf; Description: SMD Chip Resistor, 5.1 kohm, ± 1%, 63 mW, 0402 [1005 Metric], Thick Film, General Purpose; MPN: CR0402-FX-5101GLF; Manufacturer: Bourns; License: Apache-2.0; Author: Antmicro; Val: 5k1; Tolerance: 1%; Field10: Author: Antmicro; Field11: License: Apache-2.0
